# KiCad board 128CR.kicad_pcb (continued)
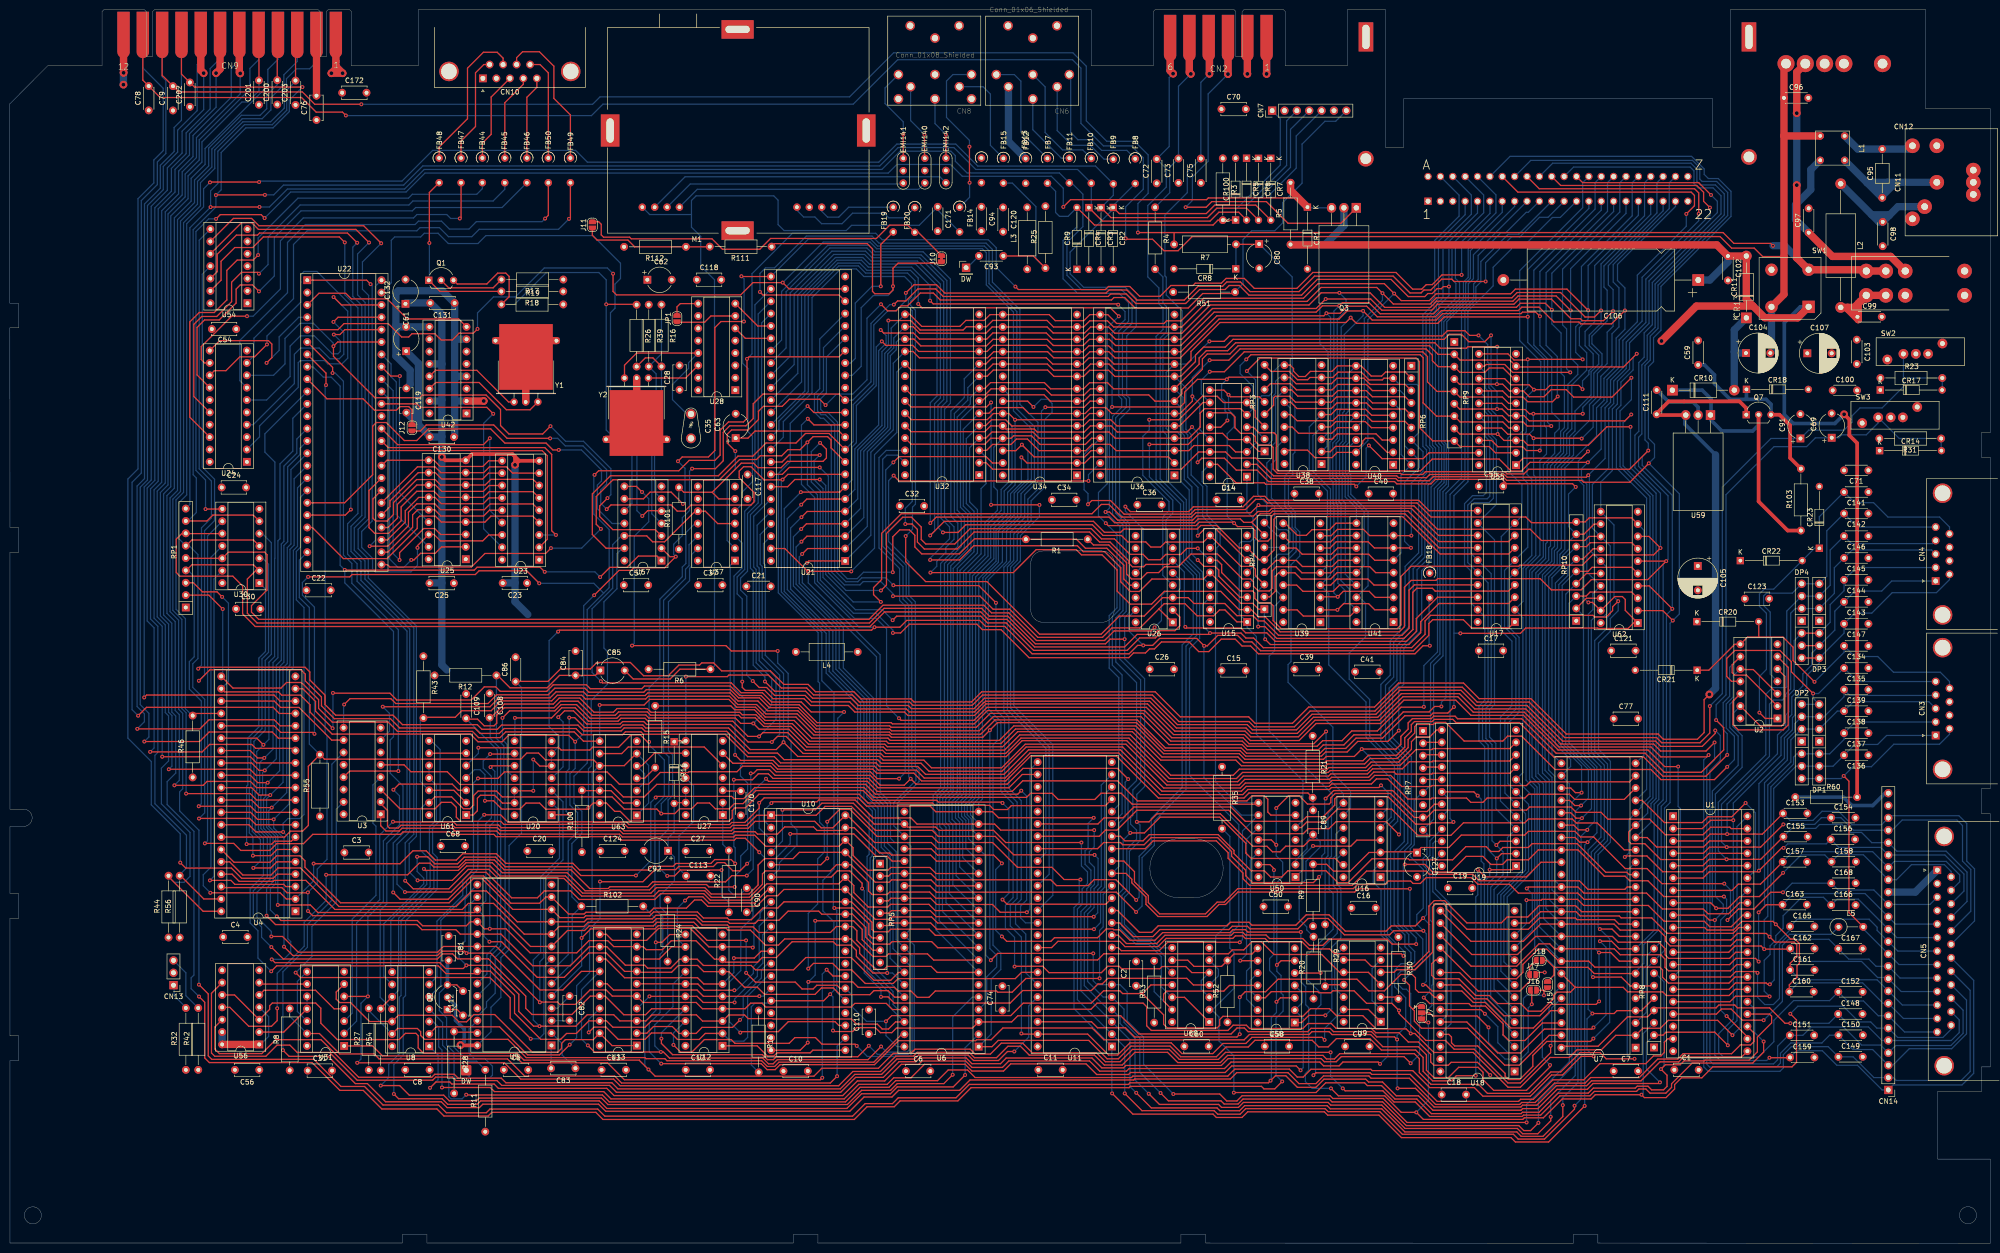
[diagram p0: board, top side]
## Routing (per net, layer and track width the routed paths; a pad name or vN(x,y) marks a point on that pad's centre or on a via; arc(x,y) is an arc through that point) (continued)
Net-(C73-Pad2): length 38.5
  Top w1.5: CN2.5 242.15,244.06 242.15,240.52 v2(242.46,240.21)
  Bottom w0.25: v2(242.46,240.21) 239.93,237.68 C73.2 238.13,221.03 238.13,215.8 R4.1
  Bottom w1.5: v2(242.46,240.21) 242.15,240.52 242.15,244.06 CN2.5
Net-(C80-Pad1): length 138.7
  Top w0.25: R7.1 256.43,205.19 C80.1
  Bottom w0.25: C80.1 263.28,198.49 263.28,172.59 263.83,172.04 263.83,162.47 263.43,162.07 263.43,157.97 262.5,157.04 262.5,151.64 263.88,150.27 263.88,147.07 264.83,146.12 264.83,141.17 263.03,139.37 263.03,119.47 262.43,118.87 262.43,115.22 271.63,106.02 271.63,96.52 275.25,92.89 275.25,89.36 U16.9 ; R7.1 251.73,200.22 CR8.1
Net-(C82-Pad1): length 4.7
  Bottom w0.25: U5.4 112.42,48.26 C82.1
Net-(C82-Pad2): length 3.7
  Bottom w0.25: C82.2 114.88,45.72 U5.3
Net-(C83-Pad1): length 9.3
  Bottom w0.25: C83.1 113.4,38.67 113.4,41.01 U5.2
Net-(C83-Pad2): length 4.7
  Bottom w0.25: U5.1 111.13,40.54 C83.2
Net-(C89-Pad1): length 132.5
  Top w0.25: R21.2 266.5,92.49 254.4,92.49 253.38,91.47 235.8,91.47 227.23,100.04 209.53,100.04 204.45,94.97 187.2,94.97 185.6,96.57 177.98,96.57 177.15,97.39 157.63,97.39 156.43,98.59 148.45,98.59 U27.6
  Bottom w0.25: R21.2 267.55,91.44 C89.1
Net-(C89-Pad2): length 32.3
  Bottom w0.25: U50.2 263.95,78.66 266.33,81.03 266.33,82.72 C89.2 269.03,82.47 269.03,81.39 266.1,78.47 266.1,74.74 264.7,73.34 264.7,66.54 266.25,64.99 266.25,64.37 R20.2
Net-(C90-Pad1): length 23.1
  Bottom w0.25: C90.1 149.93,71.62 148.5,71.62 147.63,72.49 R22.2 146.38,81.94 U27.1 U27.2
Net-(C91-Pad1): length 356.4
  Top w0.25: v1(138.8,116.39) 147.3,116.39 147.63,116.72 155.75,116.72 158.4,114.07 163.6,114.07 165.03,112.64 172.95,112.64 174.4,111.19 184.73,111.19 185.4,110.52 197.6,110.52 199.7,112.62 234.58,112.62 240.03,107.17 254.4,107.17 255.48,106.09 263.73,106.09 266.95,109.32 280.25,109.32 285.15,114.22 298.2,114.22 301.25,111.17 311.93,111.17 319.23,103.87 338.08,103.87 339.13,102.82 347,102.82 349,104.82 v1(349,110.34) ; CR16.1 136.57,103.21 U27.8
  Bottom w0.25: SW2.1 388.75,177.67 ; 388.75,177.67 388.83,177.74 R23.2 396.73,175.17 396.7,175.14 ; 388.75,177.67 388.75,175.97 384.38,171.59 379.83,171.59 378.2,169.97 378.2,168.67 376.55,167.02 369.3,167.02 C91.1 361.55,165.32 351.58,155.34 351.58,112.92 v1(349,110.34) ; U27.8 138.8,103.25 v1(138.8,116.39)
Net-(C92-Pad1): length 40.4
  Top w0.25: CR16.2 136.57,90.51 U27.13
  Bottom w0.25: CR16.2 136.4,84.49 135.15,83.24 C92.1 136.45,79.32 136.45,74.42 133.5,71.47 133.5,69.09 135.05,67.54 R24.2 ; U27.12 U27.13
Net-(C93-Pad1): length 31.8
  Top w0.25: R25.1 210.13,202.81 203.98,202.81 C93.1
  Bottom w0.25: FB15.2 205.82,217.78 210.66,212.94 210.66,202.28 R25.1
Net-(C93-Pad2): length 3.7
  Bottom w0.25: C93.2 196.55,200.4 DW2.1
Net-(C95-Pad1): length 37.2
  Bottom w1.5: 382.58,217.94 384.4,216.12 C95.1 ; 382.58,217.94 385.5,217.94 ; 382.58,217.94 381.4,217.94 381.3,217.84 ; C95.1 384.38,214.77 381.3,217.84 ; C95.1 384.4,215.14 387.2,217.94 ; C95.1 384.4,216.84 385.5,217.94 ; 385.5,217.94 387.2,217.94 ; 387.2,217.94 CN11.5 ; 381.3,217.84 L1.1
Net-(C95-Pad2): length 15.3
  Bottom w1.5: CN11.3 389.93,224.77 C95.2 379.38,224.77 L1.3
Net-(C97-Pad1): length 41.1
  Top w1.5: SW1.3 386.13,202.72 374.18,202.72 C97.1
  Bottom w1.5: C97.1 366.6,210.29 366.6,213.32 369.73,216.44 369.73,220.52 371.64,222.43
Net-(C98-Pad1): length 25.4
  Bottom w1.5: 385.84,211.16 C98.1 383.7,209.82 382.25,211.27 ; 385.84,211.16 387.63,212.94 CN11.1 ; 385.84,211.16 385.73,211.27 382.25,211.27 ; 382.25,211.27 L2.1
Net-(C99-Pad1): length 20.5
  Top w1.5: 379.48,189.74 379.48,193.07 379.92,193.51 ; 379.48,189.74 379.48,191.42 378.65,192.24 ; 379.48,189.74 377.3,191.92 377.3,192.24 ; 377.3,192.24 378.65,192.24 ; 377.3,192.24 L2.2 ; 378.65,192.24 379.92,193.51 ; 379.92,193.51 SW1.1 SW1.1
Net-(C104-Pad1): length 18.4
  Bottom w1.5: C104.1 354.28,182.87 354.03,183.12 ; CR11.1 354.03,187.62 354.03,183.12 ; CR10.2 354.03,183.12
Net-(C112-Pad1): length 103.9
  Top w0.25: C112.1 91.85,48 Q2.1 ; C85.1 120.23,116.65 C84.1 112.86,116.65 110.32,114.11 102.7,114.11 99.91,116.9
  Bottom w0.25: 99.91,116.9 99.91,103.69 101.43,102.17 101.43,96.84 101.69,96.58 101.69,60.77 99.65,58.74 99.65,51.37 97.88,49.59 97.88,48.49 96.24,46.85 93.1,46.85 C112.1
Net-(C112-Pad2): length 33.2
  Top w0.25: C112.2 91.77,53.08 Q2.3
  Bottom w0.25: 91.21,30.66 91.21,39.22 89.68,40.75 89.68,46.31 88.19,47.8 88.19,51.42 Q2.3
  Bottom w0.75: Q2.3 89.85,57.87 C81.2
Net-(C113-Pad1): length 22.6
  Bottom w0.25: U27.11 140.38,93.97 140.38,86.64 137.38,83.64 137.38,76.94 C113.1
Net-(C127-Pad1): length 149.8
  Top w0.25: R9.2 270.35,77.84 271.75,76.44 275.2,76.44 279.03,80.27 281.4,80.27 281.55,80.42 288.88,80.42 289.75,81.29 295.43,81.29 297.98,83.84 311,83.84 311.78,84.62 321.33,84.62 322.48,83.47 325.15,83.47 331.65,76.97 336.1,76.97 339.2,73.87 v1(351.98,73.87) ; v1(364.03,72.09) 361.5,72.09 358.08,68.67 354.9,68.67 v1(352.63,66.39)
  Bottom w0.25: v1(351.98,73.87) 353.25,72.59 353.25,67.02 v1(352.63,66.39) ; CN5.3 394.19,69.59 385.65,69.59 382.68,72.57 375.35,72.57 C168.1 365.9,73.97 v1(364.03,72.09)
Net-(C170-Pad1): length 3.8
  Top w0.25: C170.1 146.53,92.89 U27.3
Net-(CN1-Pad6): length 82.6
  Bottom w0.25: 291.65,137.64 292.45,138.44 292.45,155.04 293.95,156.54 293.95,163.69 293.35,164.29 293.35,189.64 297.63,193.92 297.63,197.34 296.78,198.19 296.78,204.44 303.88,211.55 303.88,214
Net-(CN2-Pad3): length 77.4
  Top w0.25: Q3.1 273.26,209.53 262.42,209.53 257.97,213.98 246.76,213.98 245.6,212.82 v1(241.4,212.82)
  Top w1.5: CN2.3 250.09,244.08 v2(250.09,240.17)
  Bottom w0.25: v1(241.4,212.82) 242.78,214.2 242.78,219.03 246.02,222.27 246.02,236.1 v2(250.09,240.17)
  Bottom w1.5: v2(250.09,240.17) 250.09,244.08 CN2.3
Net-(CN6-Pad1): length 23.7
  Bottom w0.25: FB7.1 207.58,228.29 207.58,238.72 206.23,240.07 CN6.1
Net-(CN6-Pad2): length 16.2
  Bottom w1.5: CN6.2 205.03,226.34 FB12.1
Net-(CN6-Pad3): length 24.6
  Bottom w0.25: FB10.1 220.28,224.59 216.13,224.59 212.55,228.17 212.55,237.54 CN6.3
Net-(CN6-Pad4): length 23
  Bottom w0.25: CN6.4 215.03,228.57 218.05,225.54 221.8,225.54 224.65,222.69 FB9.1
Net-(CN6-Pad5): length 27.5
  Bottom w0.25: CN6.5 217.8,239.79 217.8,228.17 219.28,226.69 221.95,226.69 224.15,224.49 229.33,224.49 FB8.1
Net-(CN6-Pad6): length 16.2
  Bottom w0.25: FB11.1 215.88,222.89 210.03,228.74 CN6.6
Net-(CN8-Pad1): length 19.9
  Top w0.25: EMI141.1 183.43,222.88 v1(183.43,227.8)
  Bottom w0.25: v1(183.43,227.8) 183.43,230.37 179.69,234.11 179.69,237.33 CN8.1
Net-(CN8-Pad3): length 34.4
  Top w0.25: v1(197.04,217.86) 197.02,217.88 v1(197.02,225.27)
  Bottom w0.25: CN8.3 193.63,240.08 192.3,238.75 192.3,231.27 197.02,226.55 v1(197.02,225.27) ; v1(197.04,217.86) 197.04,214.87 FB14.1
Net-(CN8-Pad4): length 15.9
  Top w0.25: v1(187.79,227.76) 187.79,222.96 EMI140.1
  Bottom w0.25: CN8.4 184.94,230.61 v1(187.79,227.76)
Net-(CN8-Pad5): length 21.3
  Bottom w0.25: CN8.5 199.8,237.58 201.32,236.06 201.32,225.52 FB15.1
Net-(CN8-Pad6): length 13.1
  Top w0.25: v1(192.19,227.76) 192.19,222.93 EMI142.1
  Bottom w0.25: v1(192.19,227.76) 189.94,230.01 CN8.6
Net-(CN13-Pad1): length 5.8
  Bottom w0.25: CN13.1 33.74,52.89 33.74,50.86 36.28,48.32
Net-(CN13-Pad3): length 11.9
  Bottom w0.25: R42.2 36.15,50.86 36.15,55.56 33.61,58.1
Net-(CN14-Pad25): length 20.9
  Bottom w0.75: R60.2 376.43,91.64 378.15,89.92 382.45,89.92 384.99,92.45 385.65,92.45
Net-(CR1-Pad1): length 314.6
  Top w0.25: v1(42.35,210.43) 43.22,211.3 51.61,211.3 v1(52.32,210.59) ; v1(216.28,212.88) 217.78,214.38 245.7,214.38 246.05,214.73 264.51,214.73 CR1.1 ; v1(40.19,150.82) 43.59,150.82 U30.8
  Top w1.5: CR1.1 262.93,216.31 R5.2
  Bottom w0.25: v1(42.35,210.43) 40.83,210.43 38.22,207.82 38.22,158.76 40.19,156.79 v1(40.19,150.82) ; v1(216.28,212.88) 216.28,216.72 213.82,219.18 195.55,219.18 193.12,221.61 182.11,221.61 180.34,219.84 85.24,219.84 81.35,215.95 57.68,215.95 v1(52.32,210.59) ; CR1.1 266.54,212.7 Q3.3
Net-(CR10-Pad1): length 55.3
  Top w0.75: R103.1 364.99,146.41 359.02,152.38 Q7.2
  Bottom w0.75: Q7.2 359.02,168.09 357.79,166.86 351.47,166.86 349.26,169.07 349.26,173.42 347.44,175.24 CR10.1
Net-(DW1-Pad1): length 21.9
  Bottom w0.25: DW1.1 93.7,34.84 94.66,33.88 98.44,33.88 99.09,34.53 99.09,36.38 97.52,37.95 95.36,37.95 94.29,39.02 94.29,44.03 U5.26
Net-(EMI140-Pad3): length 52.4
  Bottom w0.25: EMI140.3 186.55,216.5 141.14,216.5 137.48,212.83
Net-(EMI141-Pad3): length 50.5
  Bottom w0.25: M1.6 139.69,217.59 183.22,217.59 EMI141.3
Net-(EMI142-Pad3): length 62.9
  Bottom w0.25: EMI142.3 190.94,219.08 138.64,219.08 132.4,212.83
Net-(FB18-Pad2): length 221.6
  Top w0.25: v1(291.53,122.74) 290.13,122.74 288.48,121.09 256.33,121.09 254.73,122.69 252.98,122.69 251.58,124.09 248.7,124.09 246.15,121.54 244.08,121.54 242.1,123.52 236.43,123.52 235,122.09 233.98,122.09 233.15,121.27 230.7,121.27 229.73,120.29 209.25,120.29 203.5,126.04 199.68,126.04 198.55,127.17 184.68,127.17 182.88,125.37 v1(181.3,125.37) ; 137.35,155.29 138.38,154.27 144.2,154.27 ; 144.2,154.27 145.55,152.92 U37.6 ; 144.2,154.27 150.18,160.24 152.68,160.24 153.6,159.32 158.35,159.32 159.65,160.62 166.95,160.62 167.65,161.32 167.65,163.12 v1(166.35,164.42)
  Bottom w0.25: 291.38,132.59 291.38,122.89 v1(291.53,122.74) ; v1(166.35,164.42) 164.55,162.62 164.55,156.39 166.4,154.54 166.4,136.22 173.2,129.42 177.83,129.42 181.3,125.94 v1(181.3,125.37)
Net-(FB19-Pad1): length 16.9
  Bottom w0.25: FB19.1 172.21,212.82 170.18,210.79 167.89,210.79 166.69,211.99 M1.2
Net-(FB19-Pad2): length 32.7
  Top w0.25: v1(178.81,196.58) 178.81,205.18 FB19.2
  Bottom w0.25: U21.17 172.63,180.81 173.58,181.76 173.58,193.14 177.02,196.58 v1(178.81,196.58)
Net-(FB20-Pad1): length 28.1
  Bottom w0.25: FB20.1 183.69,210.65 180.46,210.65 179.51,211.6 173.02,211.6 170.86,209.44 166.66,209.44 165.28,210.82 162.97,210.82 161.61,212.18 M1.4
Net-(FB20-Pad2): length 79.9
  Top w0.25: J10.2 186.51,207.67 FB20.2 184.32,209.14 180.65,209.14 177.92,206.41 156.19,206.41 153.96,204.18 146.31,204.18 144.15,206.34 127.58,206.34 127.25,206.67 121.9,206.67 121.43,207.14 121.43,209.31 120.9,209.84 J11.2
Net-(FB44-Pad2): length 103.6
  Top w0.25: U24.18 36.95,169.7 36.95,189.25 38.9,191.2 41.99,191.2 44.56,193.77 44.56,199.84 46.69,201.97 49.96,201.97 v1(50.99,203)
  Bottom w0.25: FB44.2 97.03,216.64 95.87,215.49 82.65,215.49 81.85,214.69 59.17,214.69 50.99,206.51 v1(50.99,203)
Net-(FB45-Pad2): length 102
  Top w0.25: U24.16 37.78,173.95 37.78,188.75 39.41,190.38 42.49,190.38 45.54,193.43 45.54,197.42 47.57,199.45 50.87,199.45 v1(51.15,199.17)
  Bottom w0.25: FB45.2 101.63,216.5 99.22,214.1 82.76,214.1 81.94,213.28 59.6,213.28 53.02,206.7 53.02,201.04 v1(51.15,199.17)
Net-(FB46-Pad2): length 100.9
  Top w0.25: U24.14 38.45,178.36 38.45,188.13 39.99,189.67 42.99,189.67 46.47,193.15 46.47,196 47.33,196.86 49.83,196.86 v1(51.15,195.54)
  Bottom w0.25: v1(51.15,195.54) 54.31,198.7 54.31,206.59 59.8,212.08 82.64,212.08 83.32,212.76 101.06,212.76 FB46.2
Net-(FB47-Pad2): length 82.6
  Top w0.25: v1(92.38,210.51) 92.65,210.78 FB47.2 ; U24.12 40.01,180.84 39.32,181.53 39.32,184.2 45.56,190.44 v1(48.7,190.44)
  Bottom w0.25: v1(92.38,210.51) 90.52,210.51 89.71,211.32 83.59,211.32 82.89,210.62 60.26,210.62 55.56,205.92 55.56,196.03 49.97,190.44 v1(48.7,190.44)
Net-(FB48-Pad2): length 36.8
  Top w0.25: Q1.1 88.31,195.53 R18.2 ; v1(86.14,205.48) 86.14,215.85 FB48.2
  Bottom w0.25: Q1.1 86.14,197.94 v1(86.14,205.48)
Net-(FB49-Pad2): length 96.1
  Top w0.25: FB49.2 115.1,210.73 v1(114.81,210.44)
  Bottom w0.25: U24.9 50.13,182.29 50.13,185.92 58.25,194.04 58.25,205.18 61.05,207.98 83.57,207.98 84.22,208.63 88.21,208.63 90.06,206.78 94.86,206.78 96.38,208.3 112.67,208.3 v1(114.81,210.44)
Net-(FB50-Pad2): length 98.4
  Top w0.25: FB50.2 110.56,211.15 v1(109.9,210.49)
  Bottom w0.25: U24.7 47.23,177.2 47.23,185.47 57.02,195.26 57.02,205.6 60.69,209.27 83.21,209.27 83.9,209.96 88.63,209.96 90.25,208.34 94.27,208.34 95.79,209.86 109.27,209.86 v1(109.9,210.49)
Net-(J10-Pad1): length 74.8
  Top w0.25: R111.1 157.02,205.35 176.03,205.35 177.11,204.27 177.11,195.54 177.6,195.05 180.54,195.05 181.32,195.83 v1(181.32,196.6) 181.32,200.29 182.36,201.33 191.01,201.33 J10.1
  Bottom w0.25: U21.16 172.92,178.27 174.79,180.14 174.79,192.19 177.28,194.68 180.28,194.68 181.32,195.72 v1(181.32,196.6)
Net-(J11-Pad1): length 26.6
  Top w0.25: R111.2 143.66,204.69 R112.1 128.29,204.69 126.9,206.08 120.57,206.08 119.6,207.05 119.6,208.53
Net-(J12-Pad1): length 27.8
  Top w0.25: U22.9 65.12,173.47 72.53,173.47 74.88,171.12 79.38,171.12 80.13,171.87 81.9,171.87 82.55,171.22 82.55,168.19 J12.1
Net-(J15-Pad1): length 41.5
  Top w0.25: U18.23 301.98,47.99 v1(302.83,47.14) ; 314.96,51.75 314.72,51.99 J16.2 ; 314.96,51.75 J15.1 ; 314.96,51.75 v1(314.96,50.94)
  Bottom w0.25: v1(302.83,47.14) 305.48,44.49 305.48,41.21 307.59,39.1 310.16,39.1 310.75,39.69 310.75,50.3 311.39,50.94 v1(314.96,50.94)
Net-(J17-Pad1): length 25.6
  Top w0.25: J18.1 312,56.77 J17.1 312,53.79 310.02,51.81 301.44,51.81 297.64,55.61 293.69,55.61
Net-(JP1-Pad1): length 12.6
  Top w0.25: 148.95,190.48 143.94,190.48 142.65,189.19 137.08,189.19 JP1.1
Net-(Q1-Pad2): length 13.7
  Top w0.25: Q1.2 90.11,196.27 99.24,196.27 R17.2
Net-(Q1-Pad3): length 100.8
  Top w0.25: Q1.3 91.86,197.06 97.94,197.06 100.17,199.29 101.83,199.29 102.52,198.6 102.52,194.44 R19.1 ; R26.1 128.6,192.88 v1(122.45,192.88)
  Bottom w0.25: 126.18,150.39 127.73,151.95 127.73,161.77 122.45,167.05 v1(122.45,192.88) 122.45,197.89 120.93,199.41 110.17,199.41 103.61,192.85 R19.1
Net-(R1-Pad1): length 130.3
  Top w0.25: U38.5 271.24,170.23 272.33,171.32 278.35,171.32 279.59,170.08 U40.5 ; U41.5 280.42,137.75 279.18,138.99 272.48,138.99 271.21,137.73 U39.5 265.27,137.73 264.03,138.97 260.03,138.97 259.15,138.09 259.15,134.57 258.58,133.99 256.3,133.99 255.33,134.97 255.33,135.87 254.73,136.47 253.05,136.47 247.95,141.57 242.48,141.57 239.88,138.97 237.05,138.97 235.85,137.77 233.53,137.77 232.23,136.47 230.28,136.47 229.28,137.47 229.28,139.79 225.63,143.44 222.48,143.44 R1.1
  Bottom w0.25: U38.5 266.78,167.7 266.78,158.24 270.5,154.52 270.5,139.18 U39.5
Net-(R11-Pad2): length 16.4
  Top w0.25: U5.27 95.81,43.36 91.21,43.36
  Bottom w0.25: R28.1 91.22,40.24 94.07,37.4 95.84,37.4 R11.2
Net-(R15-Pad2): length 4.7
  Top w0.25: U63.4 130.32,95.51 R15.2
Net-(R16-Pad1): length 47.9
  Bottom w0.25: U57.4 131.8,149.85 131.8,170.49 132.7,171.39 132.7,178.58 R39.2 133.79,182.71 R16.1
Net-(R16-Pad2): length 34.9
  Top w0.25: R16.2 132.03,181.88 130.48,181.88 R26.2
  Bottom w0.25: R16.2 133.79,171.26 132.37,169.84 132.37,154.36 U57.6
Net-(R29-Pad1): length 113.4
  Bottom w0.25: R29.1 270.03,78.99 270.63,79.59 270.63,88.29 271.5,89.17 271.5,92.27 258.55,105.22 258.55,120.64 259.65,121.74 259.65,130.87 U39.16 259.55,134.53 259.55,140.67 260.43,141.54 262.48,141.54 263.48,142.54 263.48,146.09 262.56,147.01 262.56,149.54 259,153.09 259,160.04 259.9,160.94 259.9,163.37 U38.16
Net-(R29-Pad2): length 3.9
  Top w0.25: U9.11 270.35,53.11 R29.2
Net-(R30-Pad1): length 113.2
  Bottom w0.25: U40.16 274.93,163.54 274.93,158.17 275.3,157.79 275.3,153.87 278.85,150.32 278.85,135.07 U41.16 277.1,132.67 278.33,131.44 278.33,124.59 274.98,121.24 274.98,115.89 279.18,111.69 279.18,104.12 284.93,98.37 284.93,86.69 283.48,85.24 283.48,64.52 R30.1
Net-(R30-Pad2): length 3.8
  Top w0.25: R30.2 284.72,50.57 U9.3
Net-(R35-Pad2): length 270.1
  Top w0.25: v1(129.8,154.32) 128.65,155.47 126.18,155.47 ; v1(178.85,50.62) 180.3,50.62 181.58,49.34 205.38,49.34 207.95,51.92 222.05,51.92 223.4,53.27 224.28,53.27 225.43,54.42 241.63,54.42 242.98,53.06 U60.4 ; v1(174.98,72.87) 174.98,73.97 172.45,76.49 169.88,76.49 168.6,75.22 U10.6 ; v1(127.75,122.77) 147.03,122.77 148.13,121.67 v1(157.65,121.67)
  Bottom w0.25: v1(174.98,72.87) 175.43,72.42 175.43,55.49 178.85,52.07 v1(178.85,50.62) ; v1(129.8,154.32) 131.18,152.94 131.18,148.22 128.2,145.24 128.2,123.22 v1(127.75,122.77) ; v1(157.65,121.67) 157.65,119.19 159.8,117.04 159.8,103.77 160.4,103.17 160.4,86.12 161.6,84.92 161.6,81.79 158,78.19 158,76.92 U10.6 ; R35.2 250.48,83.57 250.48,65.97 247.55,63.04 247.55,59.44 U60.6 248.13,56.27 248.13,54.94 U60.4
Net-(R52-Pad2): length 19.6
  Top w0.25: U58.8 255.02,59.42 251.31,59.42 R52.2 248.76,56.87 243.11,56.87 241.84,58.14 U60.9
Net-(R53-Pad2): length 35.5
  Top w0.25: U60.13 236.87,49.74 236.87,51.16 237.5,51.79 249.22,51.79 250.4,52.96 U58.11
  Bottom w0.25: R53.2 234.94,51.67 U60.13
Net-(R100-Pad2): length 14.9
  Top w0.25: U63.2 125.96,90.43 123.42,92.97 U63.12 117.54,92.97 R100.2
  Bottom w0.25: U63.12 U63.11
Net-(U3-Pad4): length 53.7
  Bottom w0.25: 68.65,45.62 70.3,47.27 70.3,66.59 75.18,71.47 75.18,85.67 74.55,86.29 74.55,94.14 U3.4
Net-(U11-Pad16): length 119.4
  Top w0.25: U7.13 323.18,70.65 321.91,71.92 309.71,71.92 307.89,73.74 301.39,73.74 300.03,75.1 290.77,75.1 289.58,73.91 288.08,73.91 287.59,74.4 282.98,74.4 282.28,73.7 276.67,73.7 275.82,72.85 252.08,72.85 249.31,70.08 247.87,70.08 245.46,67.67 236.05,67.67 233.74,69.98 233.74,71.41 230.89,74.26 230.89,76.33 228.7,78.52 U11.16
Net-(U11-Pad17): length 116.3
  Top w0.25: U7.14 332.04,73.19 331.56,72.71 323.98,72.71 322.22,74.47 301.66,74.47 300.35,75.78 291.44,75.78 290.76,76.46 278.54,76.46 275.61,73.53 254.52,73.53 253.17,74.88 253.17,76.04 250.12,79.09 250.12,80.23 247.69,82.66 234.71,82.66 233.11,81.06 U11.17
Net-(U11-Pad18): length 120.9
  Top w0.25: U11.18 228,83.6 228.92,82.68 232.66,82.68 233.93,83.95 248.06,83.95 251.32,80.69 251.32,80.05 254.86,76.51 257.56,76.51 258.83,75.24 261.1,75.24 262.38,76.52 270.2,76.52 272.65,74.07 274.75,74.07 279.67,78.99 287.1,78.99 287.32,78.77 296.21,78.77 298.91,81.47 303.09,81.47 304.08,80.48 305.68,80.48 306.5,81.3 311.75,81.3 312.54,82.09 321.77,82.09 327.65,76.21 331.95,76.21 332.43,75.73 U7.15
Net-(U11-Pad38): length 167.5
  Top w0.25: U3.5 80.94,98.28 82.35,96.87 89.8,96.87 92.43,94.24 123.4,94.24 125.95,91.69 130.25,91.69 132.83,94.27 175.68,94.27 177.7,92.24 206.93,92.24 v1(207.65,92.97)
  Bottom w0.25: U11.38 208.53,65.82 207.5,66.84 207.5,69.24 208.75,70.49 208.75,91.87 v1(207.65,92.97)
Net-(U16-Pad2): length 256.7
  Top w0.25: v1(281.3,36.85) 280.92,37.23 273.68,37.23 272.89,36.44 269.73,36.44 268.95,37.22 250.71,37.22 249.38,35.89 229.79,35.89 229.26,35.36 223.75,35.36 221.65,37.46 205.12,37.46 203.78,36.12 197.54,36.12 196.22,37.44 187.29,37.44 186.6,36.75 183.02,36.75 179.62,33.35 174.01,33.35 171,30.34 124.05,30.34 122.56,31.83 100.31,31.83 99.43,32.71 90.76,32.71 90.34,33.13 87.48,33.13 v1(86.28,31.93)
  Bottom w0.25: v1(281.3,36.85) 282.91,38.46 282.91,61.9 281.51,63.3 281.51,72.58 279.92,74.17 279.92,76.6 281.06,77.73 U16.2 ; v1(86.28,31.93) 87.93,33.58 87.93,38.66 U8.1
Net-(U16-Pad4): length 22.3
  Top w0.25: 281.4,82.81 276.55,82.81 275.3,81.57 267.6,81.57 v1(267.55,81.62)
  Bottom w0.25: v1(267.55,81.62) 265.53,79.59 265.53,76.82 U50.1
Net-(U16-Pad6): length 189.1
  Top w0.25: v1(281.5,94.07) 281.05,93.62 271.33,93.62 270.93,93.22 254.18,93.22 253.13,92.17 236.18,92.17 227.65,100.69 209.45,100.69 204.33,95.57 187.73,95.57 186.1,97.19 178.33,97.19 177.53,97.99 157.88,97.99 156.68,99.19 150.03,99.19 v1(148.9,100.32)
  Bottom w0.25: U16.6 282.93,89.42 282.93,92.64 v1(281.5,94.07) ; U37.1 147.9,139.24 147.9,113.07 148.9,112.07 v1(148.9,100.32)
Net-(U16-Pad10): length 37.9
  Top w0.25: v1(269.1,55.54) 269.07,55.5 U58.5
  Bottom w0.25: v1(269.1,55.54) 269.1,60.26 272.53,63.69 272.53,72.6 271.7,73.43 271.7,79.08 272.23,79.61 272.23,84.05 273.54,85.35 U16.10
Net-(U16-Pad12): length 42.6
  Top w0.25: U58.1 265.2,45.34 266.67,46.82 v1(270.08,46.82)
  Bottom w0.25: v1(270.08,46.82) 271.41,48.15 271.41,60.85 273.27,62.71 273.27,72.94 272.41,73.8 272.41,78.9 273.78,80.27
Net-(U17-Pad11): length 91
  Top w0.25: 301.35,150.48 291.38,150.48 289.24,152.62 258.48,152.62 257.67,153.43 255.33,153.43 253.19,151.29 242.99,151.29 242,150.3 230.05,150.3 v1(229.02,151.33)
  Bottom w0.25: U26.12 232.62,139.19 232.62,146.8 229.02,150.4 v1(229.02,151.33)
Net-(U19-Pad21): length 326
  Top w0.25: U56.9 41.41,51.35 41.41,39.08 42.08,38.41 52.57,38.41 54.86,40.7 57.51,40.7 59.01,39.2 65.63,39.2 71.33,33.5 86.81,33.5 87.44,34.13 90.89,34.13 91.6,33.42 100.01,33.42 101,32.43 123.13,32.43 124.54,31.02 170.58,31.02 173.64,34.08 179.34,34.08 182.56,37.3 186,37.3 186.77,38.07 196.34,38.07 197.52,36.89 203.39,36.89 204.56,38.06 222.16,38.06 224.18,36.04 228.64,36.04 229.12,36.52 248.72,36.52 250.14,37.94 269.21,37.94 269.86,37.29 272.31,37.29 273.36,38.34 286.22,38.34 v1(287.58,36.98)
  Bottom w0.25: v1(287.58,36.98) 289.41,38.81 289.41,46.31 291.95,48.85 291.95,52.98 292.13,53.16 292.13,65.84 291.52,66.45 291.52,76.99 290.82,77.69 290.82,78.94 291.54,79.66 291.54,82.67 U19.21
Net-(U22-Pad1): length 107.2
  Top w0.25: U23.16 98.31,145.5 97.1,144.29 88.4,144.29 87.1,145.6 U25.16 83.7,143.3 v1(83.7,142.87) ; v1(74.08,197.02) 73.26,197.83 U22.1
  Bottom w0.25: v1(74.08,197.02) 74.4,196.69 74.4,148.37 72.25,146.22 72.25,142.92 74.48,140.69 74.48,138.49 75.05,137.92 82.35,137.92 83.7,139.27 v1(83.7,142.87)
Net-(U22-Pad4): length 32.1
  Top w0.25: U24.11 43.1,185.42 53.1,185.42 53.8,184.72 53.8,181.92 v1(52.73,180.84)
  Bottom w0.25: v1(52.73,180.84) 55.3,183.42 55.3,186.19 59.32,190.21 U22.4
Net-(U22-Pad19): length 94.2
  Top w0.25: U22.19 68.75,152.11 74.5,157.87 74.5,167.84 75.25,168.59 77.3,168.59 81,164.89 83.55,164.89 85.95,167.29 98.73,167.29 101.65,164.37 110.1,164.37 111.5,162.97 v1(112.7,162.97)
  Bottom w0.25: v1(112.7,162.97) 117.35,162.97 121.48,158.84 121.48,156.59 120.63,155.74 120.63,150.89 123.67,147.85 126.18,147.85
Net-(U22-Pad20): length 96.4
  Top w0.25: v1(70.03,150.72) 68.88,149.57 U22.20 ; v1(52.8,184.64) 50.25,182.09 47.23,182.09 44.38,179.24 42,179.24 U24.13
  Bottom w0.25: v1(52.8,184.64) 52.8,186.37 59.75,193.32 59.75,198.97 60.4,199.62 63.08,199.62 70.03,192.67 v1(70.03,150.72)
Net-(U22-Pad21): length 56.6
  Top w0.25: U22.21 62.11,147.03 68.5,140.64 77.45,140.64 83.65,146.84 83.65,148.87 84.15,149.37 87.38,149.37 88.61,148.14 U25.4 97.55,148.14 98.78,149.37 107.37,149.37 U23.4
Net-(U22-Pad43): length 135.2
  Top w0.25: 133.8,145.31 132.52,146.59 123.8,146.59 121.1,149.29 121.1,151.47 v1(122.7,153.07) ; U22.43 67.32,185.13 v1(66.45,184.27) 66.45,182.19 74.95,173.69 84.15,173.69 84.7,174.24 97.78,174.24 100.75,171.27 100.75,167.97 102.48,166.24 109.4,166.24 v1(111,167.84)
  Bottom w0.25: v1(66.45,184.27) 66.45,184.87 62.35,188.97 59.6,188.97 56.5,185.87 56.5,180.64 54.16,178.3 U24.8 ; v1(111,167.84) 114.1,164.74 117.78,164.74 123.4,159.12 123.4,153.77 v1(122.7,153.07)
Net-(U22-Pad44): length 44.2
  Top w0.25: v1(66.53,186.67) 67.78,186.67 68.78,187.67 U22.44
  Bottom w0.25: v1(66.53,186.67) 67.85,185.34 67.85,183.19 67.38,182.72 66.2,182.72 62.53,186.39 59.65,186.39 57.55,184.29 57.55,178.04 52.73,173.22 U24.6
Net-(U22-Pad45): length 49
  Top w0.25: U22.45 67.4,190.21 v1(66.45,189.27)
  Bottom w0.25: v1(66.45,189.27) 68.58,187.14 68.58,182.62 67.65,181.69 65.73,181.69 63.53,183.89 59.7,183.89 58.43,182.62 58.43,176.59 49.97,168.14 U24.4
Net-(U22-Pad46): length 57.6
  Top w0.25: v1(66.48,194.37) 68.09,192.75 U22.46
  Bottom w0.25: U24.2 51.28,165.66 51.28,167.89 59.23,175.84 59.23,180.89 59.65,181.32 64.63,181.32 65.3,180.64 68.2,180.64 69.38,181.82 69.38,191.47 v1(66.48,194.37)
Net-(U22-Pad47): length 123
  Top w0.25: U57.5 133.7,150.49 130.95,150.49 v1(129.85,149.39)
  Bottom w0.25: U22.47 78.33,197.3 78.33,206.02 79.03,206.72 84.35,206.72 85.1,207.47 87.93,207.47 90.03,205.37 96.13,205.37 97.75,206.99 119.7,206.99 125.38,201.32 125.38,198.17 124.25,197.04 124.25,192.07 123.33,191.14 123.33,167.59 128.75,162.17 128.75,150.49 v1(129.85,149.39)
Net-(U22-Pad48): length 97.2
  Top w0.25: U23.5 107.41,151.87 98.6,151.87 97.41,150.68 U25.5 88.47,150.68 87.25,151.89 83.58,151.89 81.85,150.17 81.85,147.42 77.63,143.19 v1(73.88,143.19)
  Bottom w0.25: U22.48 75.08,196.59 75.08,144.39 v1(73.88,143.19)
Net-(U27-Pad5): length 27.4
  Top w0.25: U27.5 142.56,101.94 126.98,101.94 125.63,100.59 U63.9
Net-(U27-Pad9): length 17.6
  Top w0.25: U27.9 132.33,100.67 129.76,98.1 128.68,98.1
  Bottom w0.25: 128.68,93.02 130.33,94.67 130.33,96.45 128.68,98.1
Net-(U28-Pad14): length 11.3
  Top w0.25: U28.14 138.75,177.74 Y2.2
Net-(U31-Pad4): length 19.4
  Top w0.25: U56.5 52.19,51.97 62.78,51.97 66.58,48.16 U31.4
Net-(U31-Pad9): length 9.9
  Top w0.25: 61.03,53.24 51.53,53.24 U56.6
Net-(U31-Pad10): length 14.3
  Top w0.25: U56.2 56.25,43.38 U31.11
  Bottom w0.25: U31.11 U31.10
Net-(U31-Pad12): length 11.8
  Bottom w0.25: 61.03,45.62 59.05,47.6 59.05,53.8 U31.8
Net-(U32-Pad26): length 211.7
  Top w0.25: v1(96.13,95.49) 100.23,95.49 101.55,96.82 122.63,96.82 125.15,94.29 131.13,94.29 133.55,96.71 139.27,96.71 139.43,96.87 149.3,96.87 150.43,97.99 156.2,97.99 157.35,96.84 176.68,96.84 178.08,95.44 v1(182.58,95.44)
  Bottom w0.25: U8.6 87.7,54.74 87.7,54.74 87.7,66.17 93,71.47 93,74.69 95.2,76.89 95.2,94.57 v1(96.13,95.49) ; v1(182.58,95.44) 183.83,96.69 183.83,130.89 182.68,132.04 182.68,138.59 178.45,142.82 178.45,161.39 179.93,162.87 183.79,162.87
Net-(U37-Pad3): length 168.6
  Top w0.25: v1(85.03,76.89) 85.33,76.59 92.09,76.59 93.66,78.17 99.05,78.17 101.1,76.12 114.4,76.12 118.1,72.42 123.04,72.42 123.21,72.59 131.33,72.59 132.43,73.69 143.03,73.69 143.53,73.19 v1(148.83,73.19)
  Bottom w0.25: v1(85.03,76.89) 85.6,76.32 85.6,73.72 78.23,66.34 78.23,55.98 U8.8 ; v1(148.83,73.19) 148.83,75.42 150.05,76.64 150.05,79.54 151.48,80.97 151.48,94.52 150,95.99 150,98.12 150.78,98.89 150.78,111.92 148.68,114.02 148.68,137.04 150.35,138.72 150.35,143.82 U37.3
Net-(U42-Pad13): length 20.6
  Top w0.25: Y1.2 102.39,172.82 95.89,179.32 87.39,179.32 U42.13
Net-(U42-Pad14): length 25.8
  Top w0.25: U42.14 87.43,176.82 96.35,176.82 101.95,171.22 106.83,171.22 Y1.1
Net-(U50-Pad6): length 276.8
  Top w0.25: v1(155.25,95.42) 155.78,94.89 176.03,94.89 178.1,92.82 205.78,92.82 207.95,94.99 227.4,94.99 231.53,90.87 253.98,90.87 255.03,91.92 257.55,91.92 258.26,91.21 258.26,88.59 258.91,87.94 263.95,87.94 ; U56.11 45.18,48.46 49.08,44.57 53.73,44.57 54.9,45.74 v1(54.9,48.27) ; v1(151.3,75.52) 148.23,75.52 146.95,74.24 132,74.24 131,73.24 123.23,73.24 122.85,72.87 119.05,72.87 115.2,76.72 101.5,76.72 99.48,78.74 93.6,78.74 92.15,77.29 87.05,77.29 86.28,78.07 84.05,78.07 81.68,75.69 v1(64.95,75.69)
  Bottom w0.25: v1(54.9,48.27) 54.9,55.47 60.45,61.02 60.45,65.94 64.95,70.44 v1(64.95,75.69) ; v1(151.3,75.52) 152.63,76.84 152.63,92.79 v1(155.25,95.42)
Net-(U50-Pad10): length 32.5
  Top w0.25: v1(252.6,58.05) 252.61,58.04 U58.9
  Bottom w0.25: U50.10 253.89,82.96 253.89,59.34 v1(252.6,58.05)
Net-(U50-Pad12): length 34.4
  Bottom w0.25: U50.12 254.68,78.67 254.68,56.72 253.9,55.94 253.9,50.16 U58.13
Net-(U54-Pad8): length 409.3
  Top w0.25: U7.23 332.53,94.8 312.13,94.8 311.35,94.02 291.96,94.02 291.76,93.82 285.77,93.82 283.48,96.11 280.19,96.11 279.16,95.08 271.45,95.08 270.91,94.54 253.65,94.54 252.63,93.52 236.89,93.52 228.47,101.94 208.65,101.94 203.67,96.96 188.71,96.96 187.06,98.61 178.9,98.61 178.16,99.35 158.95,99.35 157.61,100.69 151.65,100.69 147.18,105.16 130.45,105.16 129.75,105.86 126.14,105.86 125.53,105.25 117.83,105.25 116.64,106.44 100.95,106.44 100.09,105.58 96.92,105.58 95.96,106.54 80.62,106.54 78.68,108.48 66.9,108.48 64.7,110.68 64.7,112.62 61.6,115.72 61.6,117.35 60.63,118.32 38.98,118.32 v1(38.69,118.03)
  Bottom w0.25: v1(38.69,118.03) 39.36,118.7 39.36,146.96 41.39,148.99 41.39,156.58 38.89,159.08 38.89,206.04 U54.8
Net-(U54-Pad11): length 407.1
  Top w0.25: U7.22 331.45,91.18 321.26,91.18 320.2,92.24 311.81,92.24 311.04,91.47 303.31,91.47 302.42,90.58 299.93,90.58 299.06,91.45 291.96,91.45 291.77,91.26 287.02,91.26 282.9,95.38 280.56,95.38 279.53,94.35 271.36,94.35 270.86,93.85 253.83,93.85 252.85,92.87 236.52,92.87 228.03,101.36 209.14,101.36 204.11,96.33 188,96.33 186.39,97.94 178.54,97.94 177.8,98.68 158.24,98.68 156.96,99.96 151.48,99.96 146.88,104.56 130.07,104.56 129.57,105.06 126.38,105.06 125.78,104.46 117.51,104.46 116.23,105.74 101.5,105.74 100.49,104.73 96.56,104.73 95.43,105.86 80.05,105.86 78.15,107.76 66.63,107.76 63.99,110.4 63.99,112.21 60.68,115.52 60.68,116.9 59.78,117.8 41.07,117.8 v1(38.82,115.55)
  Bottom w0.25: v1(38.82,115.55) 39.99,116.72 39.99,146.39 42.04,148.44 42.04,156.94 39.52,159.46 39.52,199.05 41.18,200.71
Net-(U58-Pad2): length 218.1
  Top w0.25: v1(88.73,32) 98.66,32 99.5,31.16 121.93,31.16 123.43,29.66 171.3,29.66 174.29,32.65 180.13,32.65 181.47,33.99 185.01,33.99 187.78,36.76 196.14,36.76 197.52,35.38 204.01,35.38 205.48,36.85 220.95,36.85 223.13,34.67 229.69,34.67 230.1,35.08 249.52,35.08 250.87,36.43 264.09,36.43 v1(264.99,35.53)
  Bottom w0.25: U58.4 265.38,51.38 265.38,49.46 U58.2 265.53,46.15 265.53,36.07 v1(264.99,35.53) ; v1(88.73,32) 88.73,39.69 88.06,40.36 88.06,44.38 86.89,45.55 U8.3
Net-(U61-Pad6): length 7.6
  Top w0.25: U61.6 U61.9

## Copper pours and planes (outline as drawn; the poured copper is in the pictures)
+5V on In2.Cu: 414.44,9.15 9.52,7.41 11.26,257.63 413.74,257.94
GND on In1.Cu: 412.88,11.15 11.43,8.89 13.34,255.9 412.53,256.59
